# Altium PCB ebox-SPARK-拼板.PcbDoc (part 3 of 3)
Units mm, origin at the board's own origin, x right, y up, seen from the top; angles counter-clockwise.
Board outline 102 x 90 mm, 2 copper layers (Top Layer, Bottom Layer); 141 components, 68 nets, 621 pads, 146 vias.
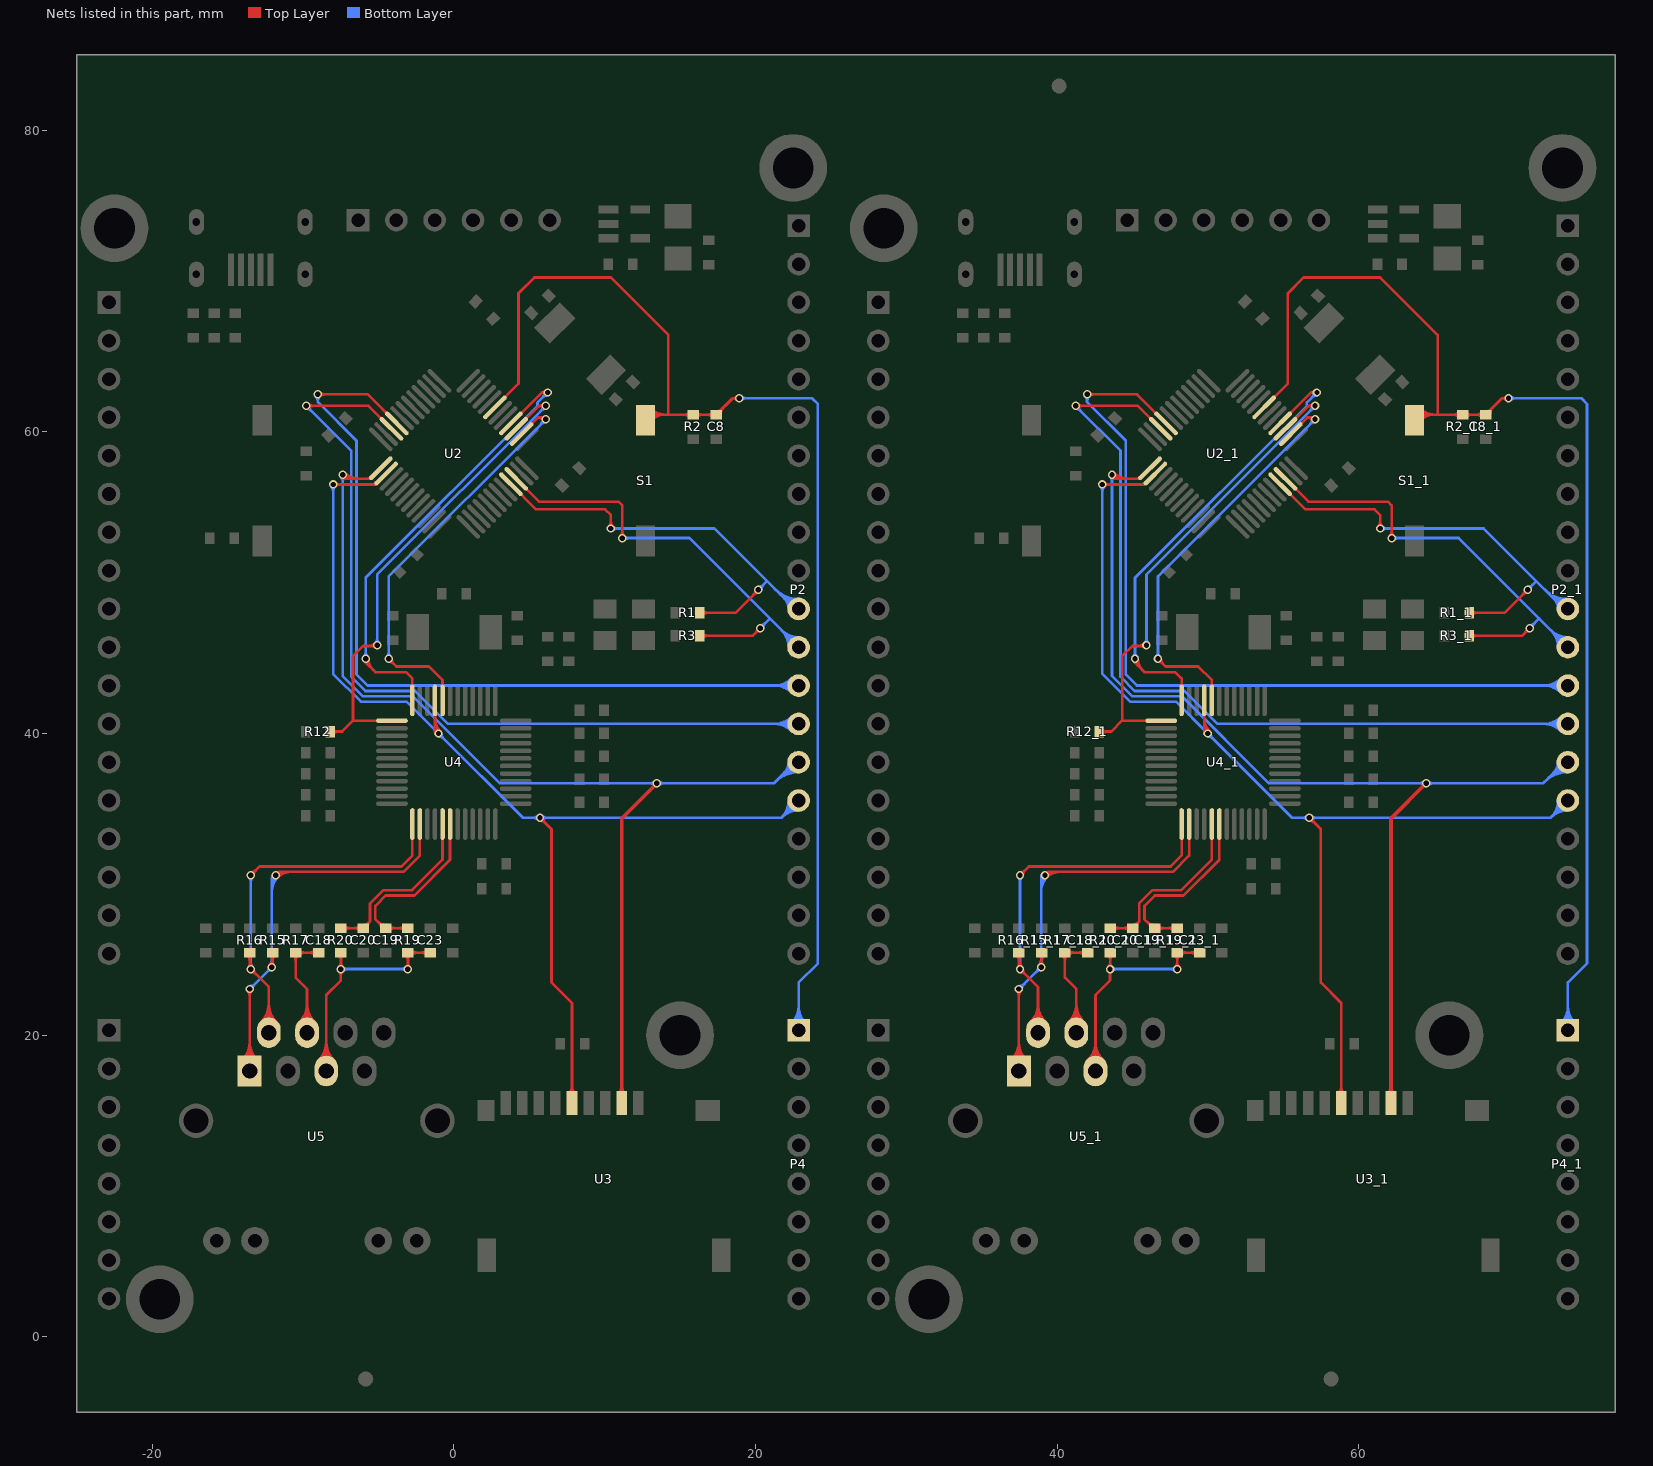
[diagram p3: the nets of this part, all layers, seen from the top]

## Via types
v1: diameter 0.559, hole 0.356, Top Layer to Bottom Layer, tented both sides, 140 vias
v2: diameter 1, hole 1, Top Layer to Bottom Layer, tented both sides, 4 vias
v3: diameter 1.27, hole 0.711, Top Layer to Bottom Layer, tented both sides, 2 vias

## Nets (pads, with @x,y where several pads share a name; then routed paths per layer and width w, separated by ;. In a path a pad name is that pad's centre, name@x,y a point inside that pad or via, vN(x,y) a via of type N, cw(c..) or ccw(c..) an arc to the next point about the centre after c; other vN are vias at no path point) (continued)
PB8: P2.11 P2_1.11 R1.1 R1_1.1 U2.45 U2_1.45 | length 76.4
  Top Layer w0.178: U2.45@3.783,56.532 5.451,54.864 10.033,54.864 10.414,54.483 v1(10.414,53.594) ; v1@10.279,53.729 ccw(c9.954,54.054) 10.414,54.054 ccw(c10.874,54.054) v1@10.549,53.729 ; R1.1@16.307,48.006 18.669,48.006 v1(20.193,49.53) ; R1.1@16.468,47.844 cw(c16.859,47.454) 16.859,48.006 cw(c16.859,48.558) R1.1@16.468,48.168 ; v1@20.002,49.53 cw(c19.543,49.53) 19.868,49.205 cw(c20.193,48.88) v1@20.193,49.34 ; U2_1.45@54.783,56.532 56.451,54.864 61.033,54.864 61.414,54.483 v1(61.414,53.594) ; v1@61.279,53.729 ccw(c60.954,54.054) 61.414,54.054 ccw(c61.874,54.054) v1@61.549,53.729 ; R1_1.1@67.307,48.006 69.669,48.006 v1(71.193,49.53) ; R1_1.1@67.468,47.844 cw(c67.859,47.454) 67.859,48.006 cw(c67.859,48.558) R1_1.1@67.468,48.168 ; v1@71.002,49.53 cw(c70.543,49.53) 70.868,49.205 cw(c71.193,48.88) v1@71.193,49.34
  Bottom Layer w0.178: v1(10.414,53.594) 17.272,53.594 22.606,48.26 P2.11@22.86,48.26 ; v1@10.549,53.459 cw(c10.874,53.134) 10.874,53.594 cw(c10.874,54.054) v1@10.549,53.729 ; v1(20.193,49.53) 20.735,50.072 ; v1@20.193,49.721 ccw(c20.193,50.18) 20.518,49.855 ccw(c20.843,49.53) v1@20.383,49.53 ; 21.298,49.568 ccw(c22.86,51.13) P2.11@22.86,48.921 ; 21.601,49.265 ccw(c22.86,50.523) P2.11@22.86,48.743 ; 21.905,48.961 ccw(c22.86,49.916) P2.11@22.86,48.565 ; 21.911,48.955 cw(c21.216,48.26) P2.11@22.199,48.26 ; 22.208,48.658 ccw(c22.86,49.309) P2.11@22.86,48.388 ; 22.215,48.651 cw(c21.823,48.26) P2.11@22.377,48.26 ; v1(61.414,53.594) 68.272,53.594 73.606,48.26 P2_1.11@73.86,48.26 ; v1@61.549,53.459 cw(c61.874,53.134) 61.874,53.594 cw(c61.874,54.054) v1@61.549,53.729 ; v1(71.193,49.53) 71.735,50.072 ; v1@71.193,49.721 ccw(c71.193,50.18) 71.518,49.855 ccw(c71.843,49.53) v1@71.383,49.53 ; 72.298,49.568 ccw(c73.86,51.13) P2_1.11@73.86,48.921 ; 72.601,49.265 ccw(c73.86,50.523) P2_1.11@73.86,48.743 ; 72.905,48.961 ccw(c73.86,49.916) P2_1.11@73.86,48.565 ; 72.911,48.955 cw(c72.216,48.26) P2_1.11@73.199,48.26 ; 73.208,48.658 ccw(c73.86,49.309) P2_1.11@73.86,48.388 ; 73.215,48.651 cw(c72.823,48.26) P2_1.11@73.377,48.26
PB9: P2.12 P2_1.12 R3.1 R3_1.1 U2.46 U2_1.46 | length 75.9
  Top Layer w0.178: U2.46@4.137,56.885 5.65,55.372 10.922,55.372 11.176,55.118 v1(11.176,52.959) ; v1@11.041,53.094 ccw(c10.716,53.419) 11.176,53.419 ccw(c11.636,53.419) v1@11.311,53.094 ; R3.1@16.307,46.482 19.812,46.482 v1(20.32,46.99) v1@20.193,46.99 ; R3.1@16.468,46.32 cw(c16.859,45.93) 16.859,46.482 cw(c16.859,47.034) R3.1@16.468,46.644 ; v1@20.13,46.99 cw(c19.67,46.99) 19.995,46.665 cw(c20.32,46.34) v1@20.32,46.799 ; U2_1.46@55.137,56.885 56.65,55.372 61.922,55.372 62.176,55.118 v1(62.176,52.959) ; v1@62.041,53.094 ccw(c61.716,53.419) 62.176,53.419 ccw(c62.636,53.419) v1@62.311,53.094 ; R3_1.1@67.307,46.482 70.812,46.482 v1(71.32,46.99) v1@71.193,46.99 ; R3_1.1@67.468,46.32 cw(c67.859,45.93) 67.859,46.482 cw(c67.859,47.034) R3_1.1@67.468,46.644 ; v1@71.129,46.99 cw(c70.67,46.99) 70.995,46.665 cw(c71.32,46.34) v1@71.32,46.799
  Bottom Layer w0.178: v1(11.176,52.959) 15.621,52.959 20.955,47.625 ; v1@11.311,52.824 cw(c11.636,52.499) 11.636,52.959 cw(c11.636,53.419) v1@11.311,53.094 ; v1(20.32,46.99) 20.955,47.625 ; v1@20.32,47.18 ccw(c20.32,47.64) 20.645,47.315 ccw(c20.97,46.99) v1@20.51,46.99 ; P2.12@22.199,45.72 ccw(c20.603,45.72) 21.731,46.849 ccw(c22.86,47.977) P2.12@22.86,46.381 ; P2.12@22.377,45.72 ccw(c21.21,45.72) 22.035,46.545 ccw(c22.86,47.37) P2.12@22.86,46.203 ; P2.12@22.86,45.72 20.955,47.625 ; v1(62.176,52.959) 66.621,52.959 71.955,47.625 ; v1@62.311,52.824 cw(c62.636,52.499) 62.636,52.959 cw(c62.636,53.419) v1@62.311,53.094 ; v1(71.32,46.99) 71.955,47.625 ; v1@71.32,47.18 ccw(c71.32,47.64) 71.645,47.315 ccw(c71.97,46.99) v1@71.51,46.99 ; P2_1.12@73.199,45.72 ccw(c71.603,45.72) 72.731,46.849 ccw(c73.86,47.977) P2_1.12@73.86,46.381 ; P2_1.12@73.377,45.72 ccw(c72.21,45.72) 73.035,46.545 ccw(c73.86,47.37) P2_1.12@73.86,46.203 ; P2_1.12@73.86,45.72 71.955,47.625
PB10: P2.13 P2_1.13 U2.21 U2_1.21 | length 122.1
  Top Layer w0.178: v1(-9.017,62.484) -5.705,62.484 U2.21@-3.783,60.562 ; v1@-8.882,62.349 cw(c-8.557,62.024) -8.557,62.484 cw(c-8.557,62.944) v1@-8.882,62.619 ; v1(41.983,62.484) 45.295,62.484 U2_1.21@47.217,60.562 ; v1@42.118,62.349 cw(c42.443,62.024) 42.443,62.484 cw(c42.443,62.944) v1@42.118,62.619
  Bottom Layer w0.178: v1@-9.152,62.349 cw(c-9.477,62.024) -9.017,62.024 cw(c-8.557,62.024) v1@-8.882,62.349 ; v1(-9.017,62.484) -9.017,61.976 -6.452,59.411 -6.452,43.917 -5.715,43.18 19.558,43.18 P2.13@22.86,43.18 ; P2.13@22.393,42.713 ccw(c21.264,41.584) 21.264,43.18 ccw(c21.264,44.776) P2.13@22.393,43.647 ; P2.13@22.518,42.838 ccw(c21.693,42.013) 21.693,43.18 ccw(c21.693,44.347) P2.13@22.518,43.522 ; v1@41.848,62.349 cw(c41.523,62.024) 41.983,62.024 cw(c42.443,62.024) v1@42.118,62.349 ; v1(41.983,62.484) 41.983,61.976 44.548,59.411 44.548,43.917 45.285,43.18 70.558,43.18 P2_1.13@73.86,43.18 ; P2_1.13@73.393,42.713 ccw(c72.264,41.584) 72.264,43.18 ccw(c72.264,44.776) P2_1.13@73.393,43.647 ; P2_1.13@73.518,42.838 ccw(c72.693,42.013) 72.693,43.18 ccw(c72.693,44.347) P2_1.13@73.518,43.522
PB11: P2.14 P2_1.14 U2.22 U2_1.22 | length 124.4
  Top Layer w0.178: v1(-9.779,61.722) -5.65,61.722 U2.22@-4.137,60.209 ; v1@-9.644,61.587 cw(c-9.319,61.262) -9.319,61.722 cw(c-9.319,62.182) v1@-9.644,61.857 ; v1(41.221,61.722) 45.35,61.722 U2_1.22@46.863,60.209 ; v1@41.356,61.587 cw(c41.681,61.262) 41.681,61.722 cw(c41.681,62.182) v1@41.356,61.857
  Bottom Layer w0.178: v1@-9.779,61.531 cw(c-9.779,61.072) -9.454,61.397 cw(c-9.129,61.722) v1@-9.589,61.722 ; v1(-9.779,61.722) -6.807,58.75 -6.807,43.769 -5.862,42.824 -2.56,42.824 -0.376,40.64 P2.14@22.86,40.64 ; P2.14@22.393,40.173 ccw(c21.264,39.044) 21.264,40.64 ccw(c21.264,42.236) P2.14@22.393,41.107 ; P2.14@22.518,40.298 ccw(c21.693,39.473) 21.693,40.64 ccw(c21.693,41.807) P2.14@22.518,40.982 ; v1@41.221,61.531 cw(c41.221,61.072) 41.546,61.397 cw(c41.871,61.722) v1@41.411,61.722 ; v1(41.221,61.722) 44.193,58.75 44.193,43.769 45.138,42.824 48.44,42.824 50.624,40.64 P2_1.14@73.86,40.64 ; P2_1.14@73.393,40.173 ccw(c72.264,39.044) 72.264,40.64 ccw(c72.264,42.236) P2_1.14@73.393,41.107 ; P2_1.14@73.518,40.298 ccw(c72.693,39.473) 72.693,40.64 ccw(c72.693,41.807) P2_1.14@73.518,40.982
PB12: P2.15 P2_1.15 U2.25 U2_1.25 U3.2 U3_1.2 | length 168.5
  Top Layer w0.178: v1@-7.483,57.033 ccw(c-7.151,57.365) -7.151,56.896 ; v1(-7.366,57.15) -7.112,56.896 -5.54,56.896 U2.25@-4.844,57.592 ; v1@-7.357,57.159 ccw(c-6.722,57.794) -6.722,56.896 ; v1@-7.231,57.285 ccw(c-6.293,58.223) -6.293,56.896 ; -5.772,56.896 ccw(c-5.772,57.248) U2.25@-5.523,56.999 ; v1@43.517,57.033 ccw(c43.849,57.365) 43.849,56.896 ; v1(43.634,57.15) 43.888,56.896 45.46,56.896 U2_1.25@46.156,57.592 ; v1@43.643,57.159 ccw(c44.278,57.794) 44.278,56.896 ; v1@43.769,57.285 ccw(c44.707,58.223) 44.707,56.896 ; 45.228,56.896 ccw(c45.228,57.248) U2_1.25@45.477,56.999
  Top Layer w0.254: U3.2@10.975,16.122 ccw(c10.594,16.503) 11.133,16.503 ccw(c11.671,16.503) U3.2@11.29,16.122 ; U3.2@11.133,15.515 11.133,34.374 v1(13.462,36.703) ; v1@13.31,36.703 cw(c12.942,36.703) 13.202,36.443 cw(c13.462,36.183) v1@13.462,36.551 ; U3_1.2@61.975,16.122 ccw(c61.594,16.503) 62.133,16.503 ccw(c62.671,16.503) U3_1.2@62.29,16.122 ; U3_1.2@62.133,15.515 62.133,34.374 v1(64.462,36.703) ; v1@64.31,36.703 cw(c63.942,36.703) 64.202,36.443 cw(c64.462,36.183) v1@64.462,36.551
  Bottom Layer w0.178: v1@-7.501,57.015 cw(c-7.826,56.69) -7.366,56.69 cw(c-6.906,56.69) v1@-7.231,57.015 ; v1(-7.366,57.15) -7.366,43.825 -6.01,42.469 -2.708,42.469 3.058,36.703 v1(13.462,36.703) 21.209,36.703 22.606,38.1 P2.15@22.86,38.1 ; v1@13.327,36.568 ccw(c13.002,36.243) 13.002,36.703 ccw(c13.002,37.163) v1@13.327,36.838 ; v1@13.597,36.568 cw(c13.922,36.243) 13.922,36.703 cw(c13.922,37.163) v1@13.597,36.838 ; 21.298,36.792 cw(c22.86,35.23) P2.15@22.86,37.439 ; 21.601,37.095 cw(c22.86,35.837) P2.15@22.86,37.617 ; 21.905,37.399 cw(c22.86,36.444) P2.15@22.86,37.795 ; 21.911,37.405 ccw(c21.216,38.1) P2.15@22.199,38.1 ; 22.208,37.702 cw(c22.86,37.051) P2.15@22.86,37.972 ; 22.215,37.709 ccw(c21.823,38.1) P2.15@22.377,38.1 ; v1@43.499,57.015 cw(c43.174,56.69) 43.634,56.69 cw(c44.094,56.69) v1@43.769,57.015 ; v1(43.634,57.15) 43.634,43.825 44.99,42.469 48.292,42.469 54.058,36.703 v1(64.462,36.703) 72.209,36.703 73.606,38.1 P2_1.15@73.86,38.1 ; v1@64.327,36.568 ccw(c64.002,36.243) 64.002,36.703 ccw(c64.002,37.163) v1@64.327,36.838 ; v1@64.597,36.568 cw(c64.922,36.243) 64.922,36.703 cw(c64.922,37.163) v1@64.597,36.838 ; 72.298,36.792 cw(c73.86,35.23) P2_1.15@73.86,37.439 ; 72.601,37.095 cw(c73.86,35.837) P2_1.15@73.86,37.617 ; 72.905,37.399 cw(c73.86,36.444) P2_1.15@73.86,37.795 ; 72.911,37.405 ccw(c72.216,38.1) P2_1.15@73.199,38.1 ; 73.208,37.702 cw(c73.86,37.051) P2_1.15@73.86,37.972 ; 73.215,37.709 ccw(c72.823,38.1) P2_1.15@73.377,38.1
PB13: P2.16 P2_1.16 U2.26 U2_1.26 U3.5 U3_1.5 U4.33 U4_1.33 | length 172.8
  Top Layer w0.178: v1(-8.001,56.515) -5.214,56.515 U2.26@-4.49,57.239 ; v1@-7.866,56.38 cw(c-7.541,56.055) -7.541,56.515 cw(c-7.541,56.975) v1@-7.866,56.65 ; -5.485,56.515 ccw(c-5.485,56.961) U2.26@-5.17,56.646 ; -1.25,40.171 ccw(c-0.85,40.171) v1@-1.133,39.888 ; -1.25,40.601 ccw(c-0.42,40.601) v1@-1.007,40.014 ; -1.25,41.03 ccw(c0.009,41.03) v1@-0.881,40.14 ; U4.33@-1.25,42.2 -1.25,40.239 v1(-1.016,40.005) ; v1@5.715,34.227 cw(c5.715,33.767) 6.04,34.092 cw(c6.365,34.417) v1@5.905,34.417 ; v1(5.715,34.417) 6.477,33.655 6.477,23.495 7.833,22.139 U3.5@7.833,15.515 ; U3.5@7.648,16.149 ccw(c7.202,16.595) 7.833,16.595 ccw(c8.463,16.595) U3.5@8.017,16.149 ; v1(42.999,56.515) 45.786,56.515 U2_1.26@46.51,57.239 ; v1@43.134,56.38 cw(c43.459,56.055) 43.459,56.515 cw(c43.459,56.975) v1@43.134,56.65 ; 45.515,56.515 ccw(c45.515,56.961) U2_1.26@45.83,56.646 ; 49.75,40.171 ccw(c50.15,40.171) v1@49.867,39.888 ; 49.75,40.601 ccw(c50.58,40.601) v1@49.993,40.014 ; 49.75,41.03 ccw(c51.009,41.03) v1@50.119,40.14 ; U4_1.33@49.75,42.2 49.75,40.239 v1(49.984,40.005) ; v1@56.715,34.227 cw(c56.715,33.767) 57.04,34.092 cw(c57.365,34.417) v1@56.905,34.417 ; v1(56.715,34.417) 57.477,33.655 57.477,23.495 58.833,22.139 U3_1.5@58.833,15.515 ; U3_1.5@58.648,16.149 ccw(c58.202,16.595) 58.833,16.595 ccw(c59.463,16.595) U3_1.5@59.017,16.149
  Bottom Layer w0.178: v1@-8.136,56.38 cw(c-8.461,56.055) -8.001,56.055 cw(c-7.541,56.055) v1@-7.866,56.38 ; v1(-8.001,56.515) -8.001,43.957 -6.157,42.113 -3.124,42.113 v1(-1.016,40.005) 4.572,34.417 21.717,34.417 P2.16@22.86,35.56 ; v1@-1.206,40.005 ccw(c-1.666,40.005) -1.341,40.33 ccw(c-1.016,40.655) v1@-1.016,40.195 ; v1@-1.016,39.814 cw(c-1.016,39.355) -0.691,39.68 cw(c-0.366,40.005) v1@-0.826,40.005 ; v1@5.58,34.282 ccw(c5.255,33.957) 5.255,34.417 ccw(c5.255,34.877) v1@5.58,34.552 ; v1@5.85,34.282 cw(c6.175,33.957) 6.175,34.417 cw(c6.175,34.877) v1@5.85,34.552 ; P2.16@22.199,35.56 cw(c20.603,35.56) 21.731,34.431 cw(c22.86,33.303) P2.16@22.86,34.899 ; P2.16@22.377,35.56 cw(c21.21,35.56) 22.035,34.735 cw(c22.86,33.91) P2.16@22.86,35.077 ; v1@42.864,56.38 cw(c42.539,56.055) 42.999,56.055 cw(c43.459,56.055) v1@43.134,56.38 ; v1(42.999,56.515) 42.999,43.957 44.843,42.113 47.876,42.113 v1(49.984,40.005) 55.572,34.417 72.717,34.417 P2_1.16@73.86,35.56 ; v1@49.793,40.005 ccw(c49.334,40.005) 49.659,40.33 ccw(c49.984,40.655) v1@49.984,40.195 ; v1@49.984,39.814 cw(c49.984,39.355) 50.309,39.68 cw(c50.634,40.005) v1@50.174,40.005 ; v1@56.58,34.282 ccw(c56.255,33.957) 56.255,34.417 ccw(c56.255,34.877) v1@56.58,34.552 ; v1@56.85,34.282 cw(c57.175,33.957) 57.175,34.417 cw(c57.175,34.877) v1@56.85,34.552 ; P2_1.16@73.199,35.56 cw(c71.603,35.56) 72.731,34.431 cw(c73.86,33.303) P2_1.16@73.86,34.899 ; P2_1.16@73.377,35.56 cw(c72.21,35.56) 73.035,34.735 cw(c73.86,33.91) P2_1.16@73.86,35.077
PC13: U2.2 U2_1.2 U4.32 U4_1.32 | length 60.9
  Top Layer w0.178: v1@-4.318,44.767 cw(c-4.318,44.308) -3.993,44.633 cw(c-3.668,44.958) v1@-4.128,44.958 ; v1(-4.318,44.958) -3.81,44.45 -1.651,44.45 -0.75,43.549 U4.32@-0.75,42.2 ; U2.2@4.49,59.855 5.595,60.96 ; v1@5.924,60.752 ccw(c5.595,60.596) 5.595,60.96 ; v1(6.096,60.833) 6.096,60.96 5.595,60.96 ; v1@46.682,44.767 cw(c46.682,44.308) 47.007,44.633 cw(c47.332,44.958) v1@46.872,44.958 ; v1(46.682,44.958) 47.19,44.45 49.349,44.45 50.25,43.549 U4_1.32@50.25,42.2 ; U2_1.2@55.49,59.855 56.595,60.96 ; v1@56.924,60.752 ccw(c56.595,60.596) 56.595,60.96 ; v1(57.096,60.833) 57.096,60.96 56.595,60.96
  Bottom Layer w0.178: v1@-4.453,45.093 ccw(c-4.778,45.418) -4.318,45.418 ccw(c-3.858,45.418) v1@-4.183,45.093 ; v1(-4.318,44.958) -4.318,50.419 v1(6.096,60.833) ; v1@5.905,60.833 cw(c5.446,60.833) 5.771,60.508 cw(c6.096,60.183) v1@6.096,60.642 ; v1@46.547,45.093 ccw(c46.222,45.418) 46.682,45.418 ccw(c47.142,45.418) v1@46.817,45.093 ; v1(46.682,44.958) 46.682,50.419 v1(57.096,60.833) ; v1@56.905,60.833 cw(c56.446,60.833) 56.771,60.508 cw(c57.096,60.183) v1@57.096,60.642
PC14: R12.1 R12_1.1 U2.3 U2_1.3 U4.37 U4_1.37 | length 74.8
  Top Layer w0.178: R12.1@-8.204,40.132 -7.405,40.132 -6.687,40.85 ; R12.1@-8.043,39.97 cw(c-7.652,39.58) -7.652,40.132 cw(c-7.652,40.684) R12.1@-8.043,40.294 ; -5.643,45.805 ccw(c-5.643,46.41) v1@-5.215,45.982 ; -5.437,45.805 cw(c-5.437,45.49) v1@-5.215,45.712 ; v1(-5.08,45.847) -5.122,45.805 -6.011,45.805 -6.687,45.129 -6.687,40.85 ; U4.37@-4.1,40.85 -6.687,40.85 ; U2.3@4.137,60.209 5.65,61.722 ; v1@5.958,61.59 ccw(c5.65,61.295) 5.65,61.722 ; v1@5.958,61.854 cw(c5.65,62.149) 5.65,61.722 ; v1(6.096,61.722) 5.65,61.722 ; R12_1.1@42.796,40.132 43.595,40.132 44.313,40.85 ; R12_1.1@42.957,39.97 cw(c43.348,39.58) 43.348,40.132 cw(c43.348,40.684) R12_1.1@42.957,40.294 ; 45.357,45.805 ccw(c45.357,46.41) v1@45.785,45.982 ; 45.563,45.805 cw(c45.563,45.49) v1@45.785,45.712 ; v1(45.92,45.847) 45.878,45.805 44.989,45.805 44.313,45.129 44.313,40.85 ; U4_1.37@46.9,40.85 44.313,40.85 ; U2_1.3@55.137,60.209 56.65,61.722 ; v1@56.958,61.59 ccw(c56.65,61.295) 56.65,61.722 ; v1@56.958,61.854 cw(c56.65,62.149) 56.65,61.722 ; v1(57.096,61.722) 56.65,61.722
  Bottom Layer w0.178: v1@-5.215,45.982 ccw(c-5.54,46.307) -5.08,46.307 ccw(c-4.62,46.307) v1@-4.945,45.982 ; v1(-5.08,45.847) -5.08,50.546 v1(6.096,61.722) ; v1@5.905,61.722 cw(c5.446,61.722) 5.771,61.397 cw(c6.096,61.072) v1@6.096,61.531 ; v1@45.785,45.982 ccw(c45.46,46.307) 45.92,46.307 ccw(c46.38,46.307) v1@46.055,45.982 ; v1(45.92,45.847) 45.92,50.546 v1(57.096,61.722) ; v1@56.905,61.722 cw(c56.446,61.722) 56.771,61.397 cw(c57.096,61.072) v1@57.096,61.531
PC15: U2.4 U2_1.4 U4.36 U4_1.36 | length 69
  Top Layer w0.178: v1(-5.842,44.958) -5.842,44.704 -5.207,44.069 -3.175,44.069 -2.75,43.644 U4.36@-2.75,42.2 ; v1@-5.829,44.958 ccw(c-5.185,44.958) -5.641,44.503 ; v1@-5.652,44.958 ccw(c-4.578,44.958) -5.337,44.199 ; U2.4@3.783,60.562 5.832,62.611 ; v1@6.073,62.494 ccw(c5.832,62.305) 5.832,62.611 ; v1@6.073,62.728 cw(c5.832,62.917) 5.832,62.611 ; v1(6.223,62.611) 5.832,62.611 ; v1(45.158,44.958) 45.158,44.704 45.793,44.069 47.825,44.069 48.25,43.644 U4_1.36@48.25,42.2 ; v1@45.171,44.958 ccw(c45.815,44.958) 45.359,44.503 ; v1@45.348,44.958 ccw(c46.422,44.958) 45.663,44.199 ; U2_1.4@54.783,60.562 56.832,62.611 ; v1@57.073,62.494 ccw(c56.832,62.305) 56.832,62.611 ; v1@57.073,62.728 cw(c56.832,62.917) 56.832,62.611 ; v1(57.223,62.611) 56.832,62.611
  Bottom Layer w0.178: v1@-5.977,45.093 ccw(c-6.302,45.418) -5.842,45.418 ccw(c-5.382,45.418) v1@-5.707,45.093 ; v1(-5.842,44.958) -5.842,50.328 5.55,61.72 5.55,61.948 6.213,62.611 v1(6.223,62.611) ; 5.88,62.279 cw(c6.223,61.936) v1@6.223,62.42 ; 5.905,62.303 ccw(c5.597,62.611) v1@6.032,62.611 ; v1@45.023,45.093 ccw(c44.698,45.418) 45.158,45.418 ccw(c45.618,45.418) v1@45.293,45.093 ; v1(45.158,44.958) 45.158,50.328 56.55,61.72 56.55,61.948 57.213,62.611 v1(57.223,62.611) ; 56.88,62.279 cw(c57.223,61.936) v1@57.223,62.42 ; 56.905,62.303 ccw(c56.597,62.611) v1@57.032,62.611
RCT: C23.1 C23_1.1 R19.2 R19_1.2 R20.2 R20_1.2 U5.5 U5_1.5 | length 56.6
  Top Layer w0.178: U5.5@-8.953,18.35 ccw(c-10.145,19.543) -8.459,19.543 ccw(c-6.772,19.543) U5.5@-7.965,18.35 ; U5.5@-8.827,18.224 ccw(c-9.716,19.113) -8.459,19.113 ccw(c-7.202,19.113) U5.5@-8.09,18.224 ; U5.5@-8.701,18.099 ccw(c-9.286,18.684) -8.459,18.684 ccw(c-7.631,18.684) U5.5@-8.216,18.099 ; U5.5@-8.459,17.628 -8.459,22.656 -7.493,23.622 v1(-7.493,24.384) -7.485,24.392 R20.2@-7.485,25.476 ; R20.2@-7.646,25.315 cw(c-8.036,24.924) -7.485,24.924 cw(c-6.933,24.924) R20.2@-7.323,25.315 ; v1@-7.628,24.249 cw(c-7.953,23.924) -7.493,23.924 cw(c-7.033,23.924) v1@-7.358,24.249 ; v1@-7.628,24.519 ccw(c-7.973,24.864) -7.485,24.864 ; -7.485,24.823 ccw(c-7.054,24.823) v1@-7.358,24.519 ; R19.2@-3.201,25.315 cw(c-3.591,24.924) -3.04,24.924 cw(c-2.488,24.924) R19.2@-2.878,25.315 ; v1@-3.183,24.519 ccw(c-3.528,24.864) -3.04,24.864 ; v1(-3.048,24.384) -3.04,24.392 R19.2@-3.04,25.476 C23.1@-1.558,25.476 ; -3.04,24.823 ccw(c-2.609,24.823) v1@-2.913,24.519 ; R19.2@-2.814,25.315 cw(c-2.424,24.924) -2.424,25.476 cw(c-2.424,26.028) R19.2@-2.814,25.638 ; C23.1@-1.783,25.315 ccw(c-2.173,24.924) -2.173,25.476 ccw(c-2.173,26.028) C23.1@-1.783,25.638 ; U5_1.5@42.047,18.35 ccw(c40.855,19.543) 42.541,19.543 ccw(c44.228,19.543) U5_1.5@43.035,18.35 ; U5_1.5@42.173,18.224 ccw(c41.284,19.113) 42.541,19.113 ccw(c43.798,19.113) U5_1.5@42.91,18.224 ; U5_1.5@42.299,18.099 ccw(c41.714,18.684) 42.541,18.684 ccw(c43.369,18.684) U5_1.5@42.784,18.099 ; U5_1.5@42.541,17.628 42.541,22.656 43.507,23.622 v1(43.507,24.384) 43.515,24.392 R20_1.2@43.515,25.476 ; R20_1.2@43.354,25.315 cw(c42.964,24.924) 43.515,24.924 cw(c44.067,24.924) R20_1.2@43.677,25.315 ; v1@43.372,24.249 cw(c43.047,23.924) 43.507,23.924 cw(c43.967,23.924) v1@43.642,24.249 ; v1@43.372,24.519 ccw(c43.027,24.864) 43.515,24.864 ; 43.515,24.823 ccw(c43.946,24.823) v1@43.642,24.519 ; R19_1.2@47.799,25.315 cw(c47.409,24.924) 47.96,24.924 cw(c48.512,24.924) R19_1.2@48.122,25.315 ; v1@47.817,24.519 ccw(c47.472,24.864) 47.96,24.864 ; v1(47.952,24.384) 47.96,24.392 R19_1.2@47.96,25.476 C23_1.1@49.442,25.476 ; 47.96,24.823 ccw(c48.391,24.823) v1@48.087,24.519 ; R19_1.2@48.186,25.315 cw(c48.576,24.924) 48.576,25.476 cw(c48.576,26.028) R19_1.2@48.186,25.638 ; C23_1.1@49.217,25.315 ccw(c48.827,24.924) 48.827,25.476 ccw(c48.827,26.028) C23_1.1@49.217,25.638
  Bottom Layer w0.178: v1(-7.493,24.384) v1(-3.048,24.384) ; v1@-7.358,24.249 cw(c-7.033,23.924) -7.033,24.384 cw(c-7.033,24.844) v1@-7.358,24.519 ; v1@-3.183,24.249 ccw(c-3.508,23.924) -3.508,24.384 ccw(c-3.508,24.844) v1@-3.183,24.519 ; v1(43.507,24.384) v1(47.952,24.384) ; v1@43.642,24.249 cw(c43.967,23.924) 43.967,24.384 cw(c43.967,24.844) v1@43.642,24.519 ; v1@47.817,24.249 ccw(c47.492,23.924) 47.492,24.384 ccw(c47.492,24.844) v1@47.817,24.519
RST: C8.1 C8_1.1 P4.1 P4_1.1 R2.2 R2_1.2 S1.2 S1_1.2 U2.7 U2_1.7 | length 184.7
  Top Layer w0.178: U2.7@2.722,61.623 4.293,63.193 4.293,69.19 5.334,70.231 8.001,70.231 10.414,70.231 14.224,66.421 14.224,61.138 ; S1.2@12.7,60.769 13.069,61.138 14.224,61.138 ; S1.2@12.96,60.89 cw(c13.56,60.29) 13.56,61.138 ; S1.2@12.96,61.41 ccw(c13.619,62.069) 13.619,61.138 ; S1.2@13.086,60.764 cw(c13.989,59.861) 13.989,61.138 ; S1.2@13.086,61.536 ccw(c14.048,62.498) 14.048,61.138 ; R2.2@15.65,60.976 ccw(c15.26,60.586) 15.26,61.138 ccw(c15.26,61.69) R2.2@15.65,61.299 ; R2.2@16.1,60.976 cw(c16.49,60.586) 16.49,61.138 cw(c16.49,61.69) R2.2@16.1,61.299 ; C8.1@17.174,60.976 ccw(c16.784,60.586) 16.784,61.138 ccw(c16.784,61.69) C8.1@17.174,61.299 ; C8.1@17.462,61.366 ccw(c17.462,61.765) 17.744,61.483 ; C8.1@17.691,61.138 cw(c18.396,61.138) 17.898,61.636 ; v1@18.782,62.102 ccw(c18.491,61.836) 18.491,62.23 ; v1@18.782,62.358 cw(c18.491,62.624) 18.491,62.23 ; v1(18.923,62.23) 18.491,62.23 ; U2_1.7@53.722,61.623 55.293,63.193 55.293,69.19 56.334,70.231 59.001,70.231 61.414,70.231 65.224,66.421 65.224,61.138 ; S1_1.2@63.7,60.769 64.069,61.138 65.224,61.138 ; S1_1.2@63.96,60.89 cw(c64.56,60.29) 64.56,61.138 ; S1_1.2@63.96,61.41 ccw(c64.619,62.069) 64.619,61.138 ; S1_1.2@64.086,60.764 cw(c64.989,59.861) 64.989,61.138 ; S1_1.2@64.086,61.536 ccw(c65.048,62.498) 65.048,61.138 ; R2_1.2@66.65,60.976 ccw(c66.26,60.586) 66.26,61.138 ccw(c66.26,61.69) R2_1.2@66.65,61.299 ; R2_1.2@67.1,60.976 cw(c67.49,60.586) 67.49,61.138 cw(c67.49,61.69) R2_1.2@67.1,61.299 ; C8_1.1@68.174,60.976 ccw(c67.784,60.586) 67.784,61.138 ccw(c67.784,61.69) C8_1.1@68.174,61.299 ; C8_1.1@68.462,61.366 ccw(c68.462,61.765) 68.744,61.483 ; C8_1.1@68.691,61.138 cw(c69.396,61.138) 68.898,61.636 ; v1@69.782,62.102 ccw(c69.491,61.836) 69.491,62.23 ; v1@69.782,62.358 cw(c69.491,62.624) 69.491,62.23 ; v1(69.923,62.23) 69.491,62.23 ; 14.224,61.138 R2.2@15.875,61.138 C8.1@17.399,61.138 18.491,62.23 ; 65.224,61.138 R2_1.2@66.875,61.138 C8_1.1@68.399,61.138 69.491,62.23